# KiCad board travis_erg2026.kicad_pcb
title: travis_erg2026; date: 2026-02-19; rev: 2026.02.18; company: Travis Hardiman
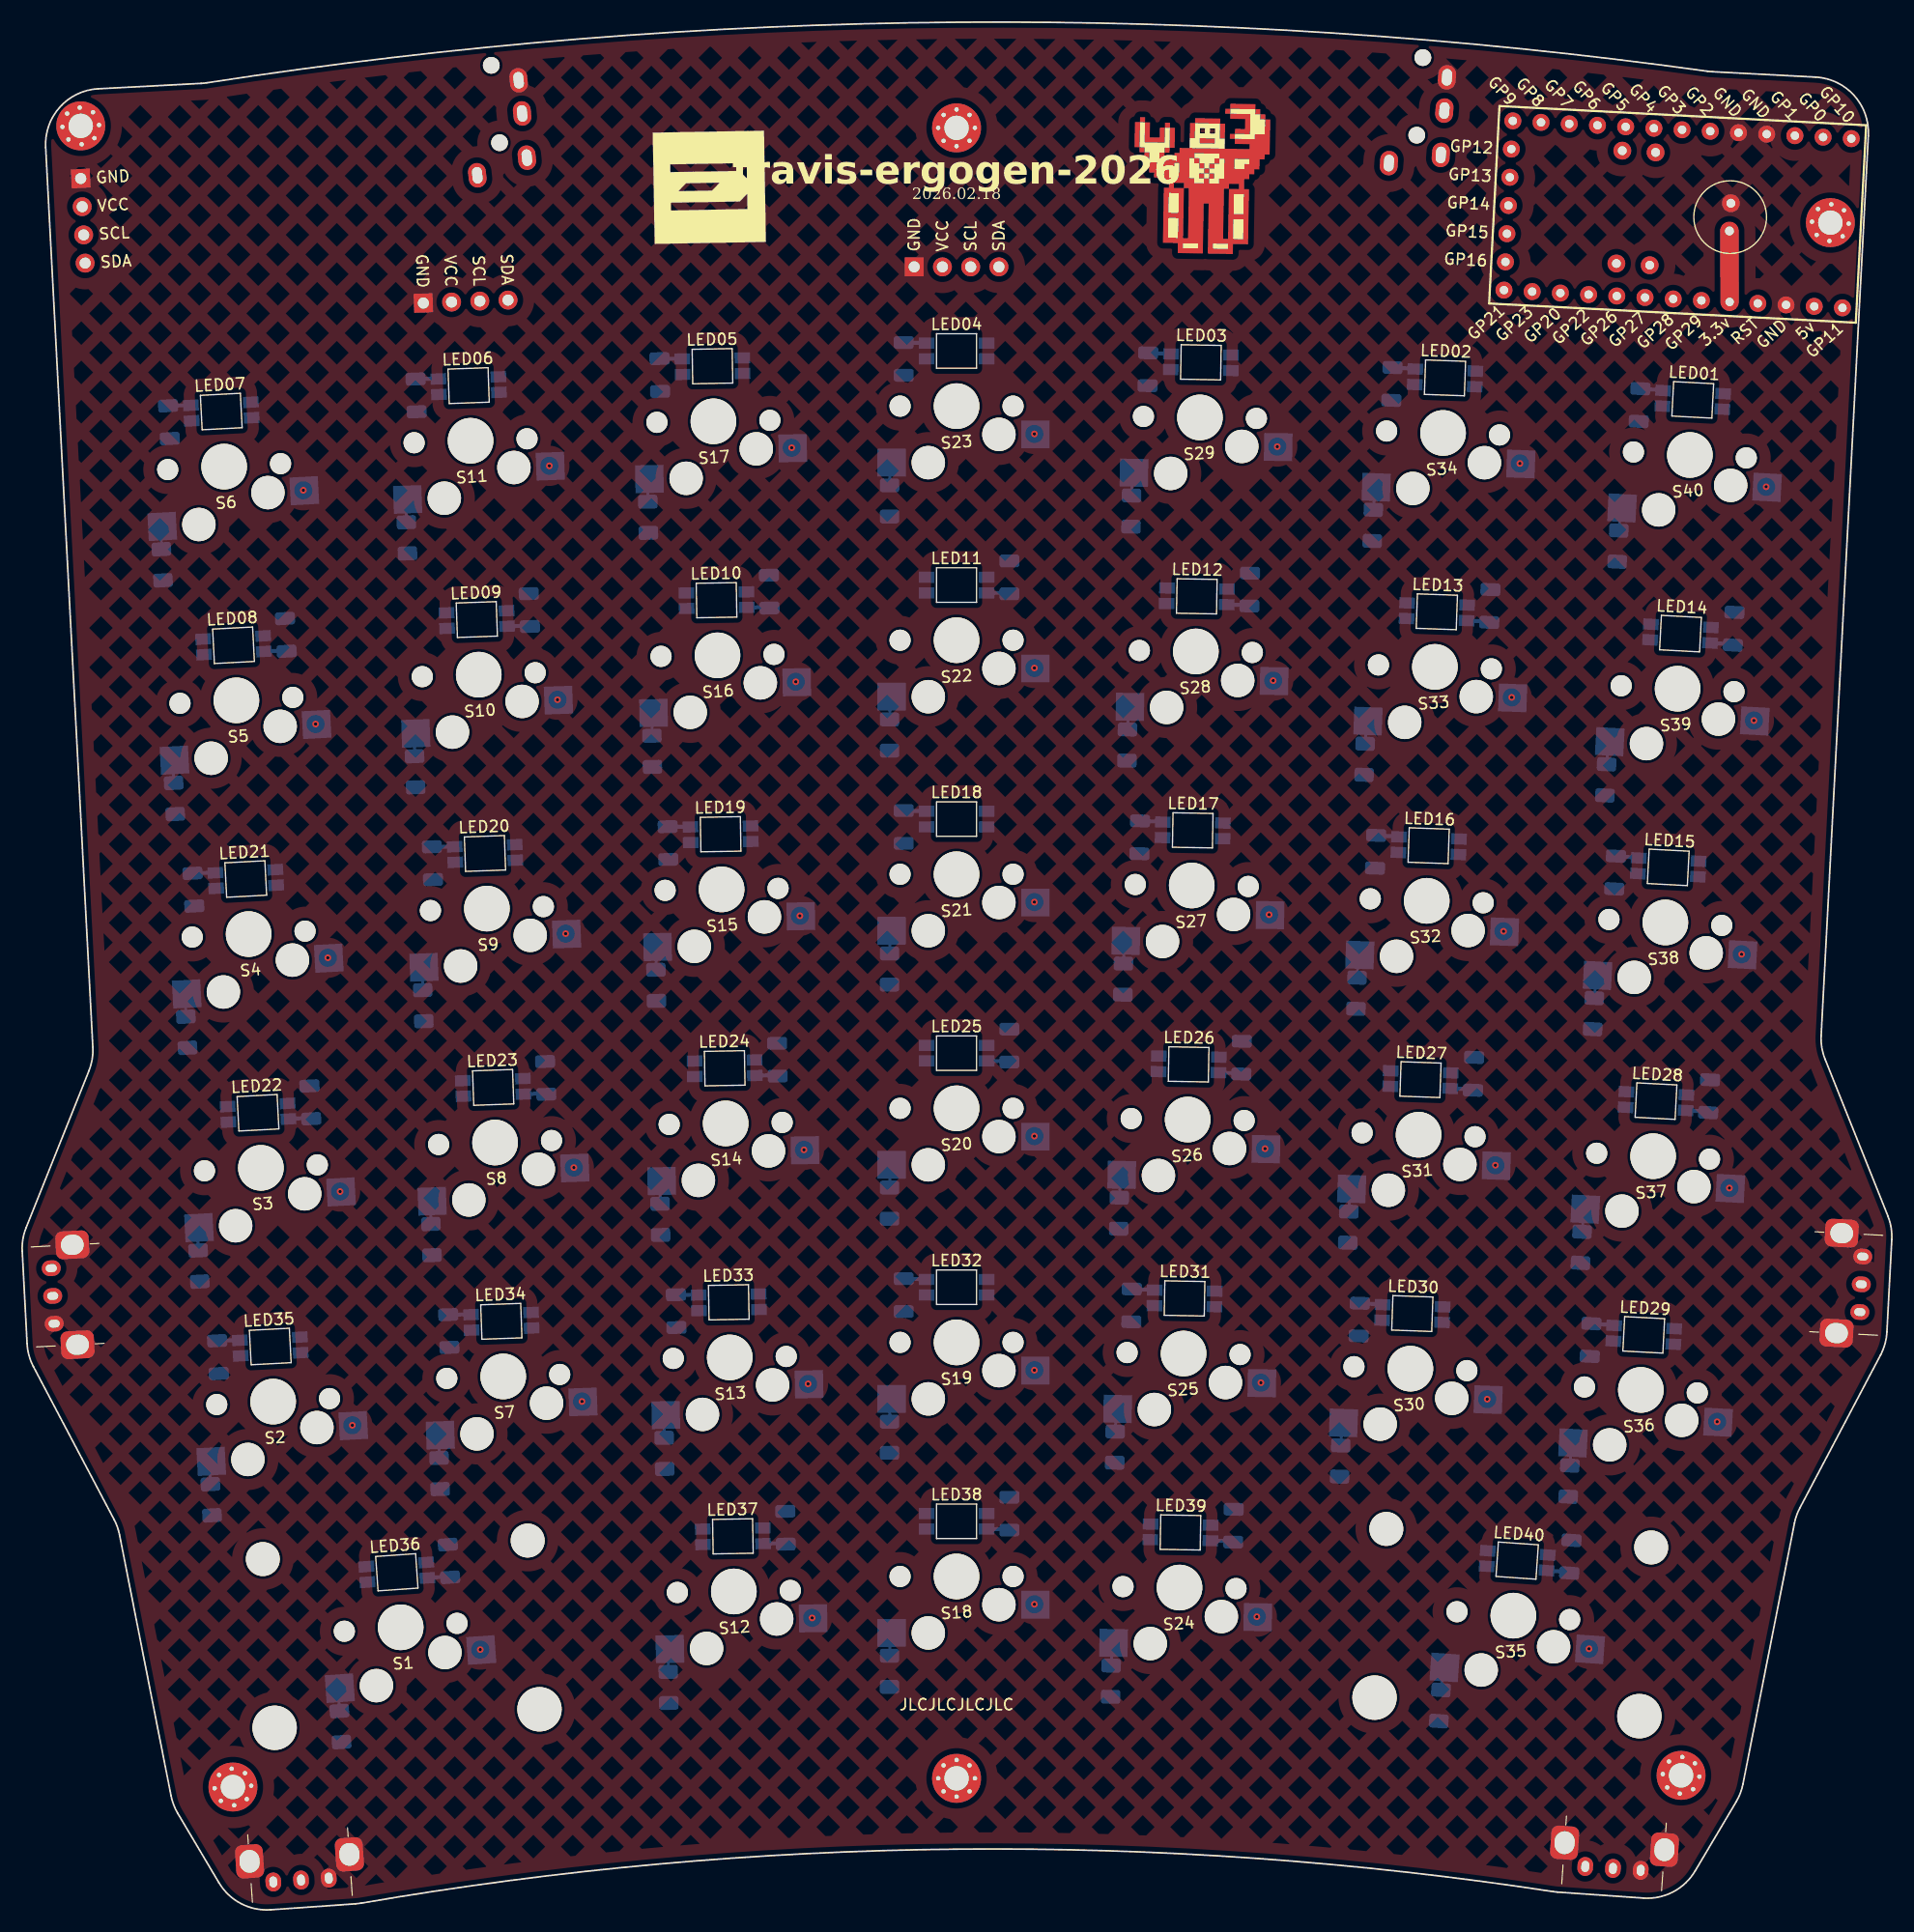
[diagram p0: board, top side]
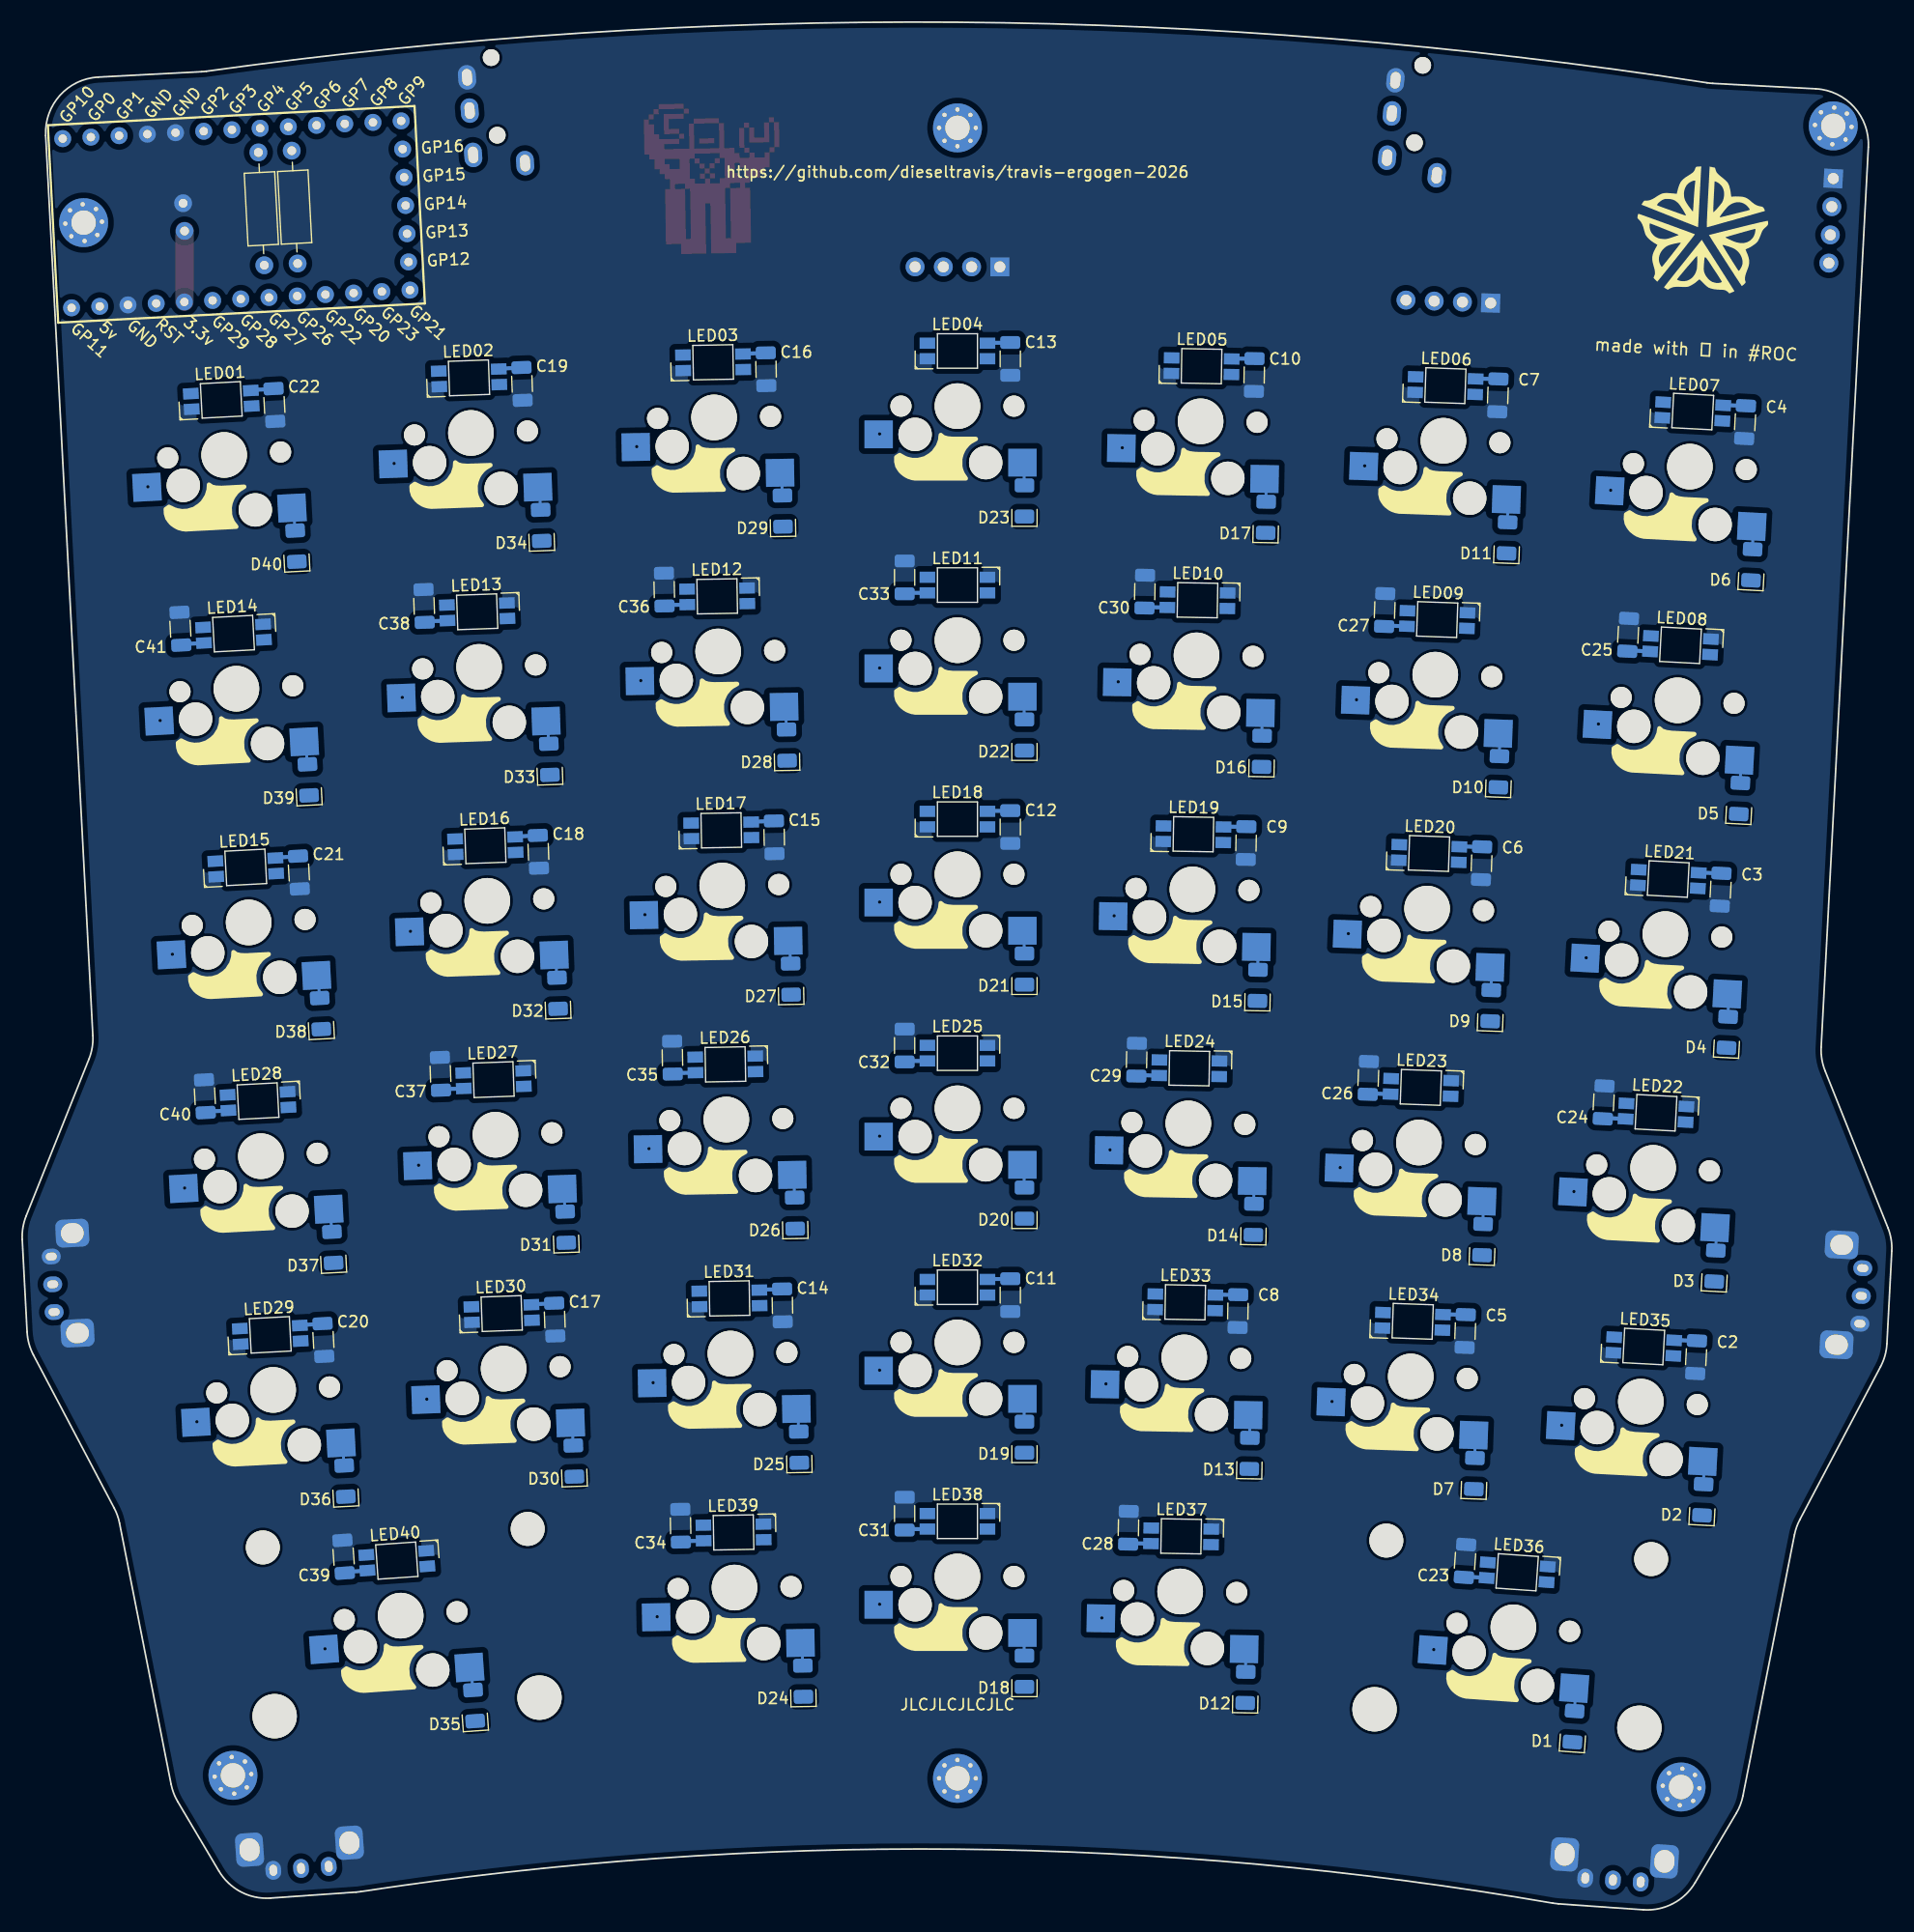
[diagram p1: board, bottom side, seen from below]

Outline 168.13 x 169.75 mm; copper layers: Top, Bottom. Coordinates in mm from the lower left corner of the outline.
Outline path: 0,59.23 arc(0.06,60.31) 0.35,61.35 6,75.45 arc(6.29,76.49) 6.35,77.57 2.11,158.51 arc(3.38,162.12) 6.84,163.77 16.1,164.25 arc(16.35,164.27) 16.6,164.3 arc(84.04,169.75) 151.57,165.34 arc(151.78,165.32) 151.99,165.3 161.29,164.81 arc(164.74,163.17) 166.02,159.56 161.78,78.62 arc(161.84,77.54) 162.13,76.5 167.78,62.4 arc(168.07,61.35) 168.13,60.28 167.69,51.96 arc(167.52,50.9) 167.12,49.89 159.86,36.13 arc(159.57,35.46) 159.38,34.76 154.75,11.3 arc(154.51,10.48) 154.14,9.72 150.44,3.48 arc(148.46,1.61) 145.79,1.05 138.1,1.59 arc(137.9,1.6) 137.69,1.63 arc(84.05,5.45) 30.48,0.6 arc(30.23,0.56) 29.98,0.53 22.33,0 arc(19.66,0.56) 17.69,2.44 13.99,8.67 arc(13.62,9.44) 13.38,10.25 8.75,33.71 arc(8.56,34.41) 8.27,35.08 1.01,48.84 arc(0.61,49.85) 0.44,50.91 0,59.23

## Placement (name value [footprint] x y rotation side)
C1  6.3V 1000uF  [C_Radial_D6.3mm_H11.0mm_P2.50mm]  153.53 150.98 87 top
C2  C710467  [C_1206_3216Metric]  17.6 49.7 273 bottom
C3  C710467  [C_1206_3216Metric]  15.39 91.74 273 bottom
C4  C710467  [C_1206_3216Metric]  13.19 133.78 273 bottom
C5  C710467  [C_1206_3216Metric]  38.36 52.05 272 bottom
C6  C710467  [C_1206_3216Metric]  36.89 94.12 272 bottom
C7  C710467  [C_1206_3216Metric]  35.42 136.19 272 bottom
C8  C710467  [C_1206_3216Metric]  58.8 53.84 271 bottom
C9  C710467  [C_1206_3216Metric]  58.07 95.93 271 bottom
C10  C710467  [C_1206_3216Metric]  57.33 138.03 271 bottom
C11  C710467  [C_1206_3216Metric]  79.27 55.28 270 bottom
C12  C710467  [C_1206_3216Metric]  79.27 97.38 270 bottom
C13  C710467  [C_1206_3216Metric]  79.27 139.48 270 bottom
C14  C710467  [C_1206_3216Metric]  99.77 54.35 269 bottom
C15  C710467  [C_1206_3216Metric]  100.5 96.45 269 bottom
C16  C710467  [C_1206_3216Metric]  101.24 138.54 269 bottom
C17  C710467  [C_1206_3216Metric]  120.24 53.08 268 bottom
C18  C710467  [C_1206_3216Metric]  121.71 95.15 268 bottom
C19  C710467  [C_1206_3216Metric]  123.18 137.22 268 bottom
C20  C710467  [C_1206_3216Metric]  141.04 51.24 267 bottom
C21  C710467  [C_1206_3216Metric]  143.25 93.29 267 bottom
C22  C710467  [C_1206_3216Metric]  145.45 135.33 267 bottom
C23  C710467  [C_1206_3216Metric]  38.38 31.37 94 bottom
C24  C710467  [C_1206_3216Metric]  25.91 72.61 93 bottom
C25  C710467  [C_1206_3216Metric]  23.71 114.66 93 bottom
C26  C710467  [C_1206_3216Metric]  47.07 74.81 92 bottom
C27  C710467  [C_1206_3216Metric]  45.6 116.89 92 bottom
C28  C710467  [C_1206_3216Metric]  68.65 34.36 91 bottom
C29  C710467  [C_1206_3216Metric]  67.91 76.45 91 bottom
C30  C710467  [C_1206_3216Metric]  67.18 118.54 91 bottom
C31  C710467  [C_1206_3216Metric]  88.77 35.63 90 bottom
C32  C710467  [C_1206_3216Metric]  88.77 77.73 90 bottom
C33  C710467  [C_1206_3216Metric]  88.77 119.83 90 bottom
C34  C710467  [C_1206_3216Metric]  108.92 34.54 89 bottom
C35  C710467  [C_1206_3216Metric]  109.66 76.63 89 bottom
C36  C710467  [C_1206_3216Metric]  110.39 118.73 89 bottom
C37  C710467  [C_1206_3216Metric]  130.52 75.18 88 bottom
C38  C710467  [C_1206_3216Metric]  131.99 117.25 88 bottom
C39  C710467  [C_1206_3216Metric]  139.23 31.76 86 bottom
C40  C710467  [C_1206_3216Metric]  151.7 73.17 87 bottom
C41  C710467  [C_1206_3216Metric]  153.91 115.21 87 bottom
D1  C7420318  [D_1206_3216Metric]  28.62 16.48 94 bottom
D2  C7420318  [D_1206_3216Metric]  16.99 36.87 93 bottom
D3  C7420318  [D_1206_3216Metric]  15.89 57.89 93 bottom
D4  C7420318  [D_1206_3216Metric]  14.79 78.92 93 bottom
D5  C7420318  [D_1206_3216Metric]  13.69 99.94 93 bottom
D6  C7420318  [D_1206_3216Metric]  12.59 120.96 93 bottom
D7  C7420318  [D_1206_3216Metric]  37.53 39.23 92 bottom
D8  C7420318  [D_1206_3216Metric]  36.8 60.27 92 bottom
D9  C7420318  [D_1206_3216Metric]  36.06 81.31 92 bottom
D10  C7420318  [D_1206_3216Metric]  35.33 102.34 92 bottom
D11  C7420318  [D_1206_3216Metric]  34.59 123.38 92 bottom
D12  C7420318  [D_1206_3216Metric]  58.12 20 91 bottom
D13  C7420318  [D_1206_3216Metric]  57.75 41.04 91 bottom
D14  C7420318  [D_1206_3216Metric]  57.38 62.09 91 bottom
D15  C7420318  [D_1206_3216Metric]  57.02 83.14 91 bottom
D16  C7420318  [D_1206_3216Metric]  56.65 104.18 91 bottom
D17  C7420318  [D_1206_3216Metric]  56.28 125.23 91 bottom
D18  C7420318  [D_1206_3216Metric]  78 21.45 90 bottom
D19  C7420318  [D_1206_3216Metric]  78 42.5 90 bottom
D20  C7420318  [D_1206_3216Metric]  78 63.55 90 bottom
D21  C7420318  [D_1206_3216Metric]  78 84.6 90 bottom
D22  C7420318  [D_1206_3216Metric]  78 105.65 90 bottom
D23  C7420318  [D_1206_3216Metric]  78 126.7 90 bottom
D24  C7420318  [D_1206_3216Metric]  97.9 20.56 89 bottom
D25  C7420318  [D_1206_3216Metric]  98.27 41.6 89 bottom
D26  C7420318  [D_1206_3216Metric]  98.64 62.65 89 bottom
D27  C7420318  [D_1206_3216Metric]  99 83.7 89 bottom
D28  C7420318  [D_1206_3216Metric]  99.37 104.74 89 bottom
D29  C7420318  [D_1206_3216Metric]  99.74 125.79 89 bottom
D30  C7420318  [D_1206_3216Metric]  118.52 40.35 88 bottom
D31  C7420318  [D_1206_3216Metric]  119.25 61.39 88 bottom
D32  C7420318  [D_1206_3216Metric]  119.99 82.43 88 bottom
D33  C7420318  [D_1206_3216Metric]  120.72 103.46 88 bottom
D34  C7420318  [D_1206_3216Metric]  121.46 124.5 88 bottom
D35  C7420318  [D_1206_3216Metric]  127.49 18.37 86 bottom
D36  C7420318  [D_1206_3216Metric]  139.1 38.55 87 bottom
D37  C7420318  [D_1206_3216Metric]  140.2 59.57 87 bottom
D38  C7420318  [D_1206_3216Metric]  141.3 80.59 87 bottom
D39  C7420318  [D_1206_3216Metric]  142.41 101.62 87 bottom
D40  C7420318  [D_1206_3216Metric]  143.51 122.64 87 bottom
HOLE1  -  [MountingHole_2.2mm_M2_Pad_Via#2]  5.26 160.43 3 top
HOLE2  -  [MountingHole_2.2mm_M2_Pad_Via#3]  84.02 160.25 0 top
HOLE3  -  [MountingHole_2.2mm_M2_Pad_Via#4]  162.61 151.73 357 top
HOLE4  -  [MountingHole_2.2mm_M2_Pad_Via]  149.18 12.09 356 top
HOLE5  -  [MountingHole_2.2mm_M2_Pad_Via#5]  84.02 11.82 0 top
HOLE6  -  [MountingHole_2.2mm_M2_Pad_Via#6]  18.95 11.04 4 top
LED01  C5378731  [led_SK6812mini-e (per-key, single-side)]  150.23 135.79 177 bottom
LED02  C5378731  [led_SK6812mini-e (per-key, single-side)]  127.95 137.77 178 bottom
LED03  C5378731  [led_SK6812mini-e (per-key, single-side)]  106 139.17 179 bottom
LED04  C5378731  [led_SK6812mini-e (per-key, single-side)]  84.02 140.19 180 bottom
LED05  C5378731  [led_SK6812mini-e (per-key, single-side)]  62.07 138.82 181 bottom
LED06  C5378731  [led_SK6812mini-e (per-key, single-side)]  40.15 137.07 182 bottom
LED07  C5378731  [led_SK6812mini-e (per-key, single-side)]  17.9 134.74 183 bottom
LED08  C5378731  [led_SK6812mini-e (per-key, single-side)]  19 113.72 3 bottom
LED09  C5378731  [led_SK6812mini-e (per-key, single-side)]  40.88 116.03 2 bottom
LED10  C5378731  [led_SK6812mini-e (per-key, single-side)]  62.44 117.77 1 bottom
LED11  C5378731  [led_SK6812mini-e (per-key, single-side)]  84.02 119.14 0 bottom
LED12  C5378731  [led_SK6812mini-e (per-key, single-side)]  105.63 118.12 359 bottom
LED13  C5378731  [led_SK6812mini-e (per-key, single-side)]  127.22 116.73 358 bottom
LED14  C5378731  [led_SK6812mini-e (per-key, single-side)]  149.13 114.77 357 bottom
LED15  C5378731  [led_SK6812mini-e (per-key, single-side)]  148.03 93.75 177 bottom
LED16  C5378731  [led_SK6812mini-e (per-key, single-side)]  126.48 95.69 178 bottom
LED17  C5378731  [led_SK6812mini-e (per-key, single-side)]  105.26 97.07 179 bottom
LED18  C5378731  [led_SK6812mini-e (per-key, single-side)]  84.02 98.09 180 bottom
LED19  C5378731  [led_SK6812mini-e (per-key, single-side)]  62.81 96.72 181 bottom
LED20  C5378731  [led_SK6812mini-e (per-key, single-side)]  41.61 94.99 182 bottom
LED21  C5378731  [led_SK6812mini-e (per-key, single-side)]  20.1 92.7 183 bottom
LED22  C5378731  [led_SK6812mini-e (per-key, single-side)]  21.2 71.68 3 bottom
LED23  C5378731  [led_SK6812mini-e (per-key, single-side)]  42.35 73.96 2 bottom
LED24  C5378731  [led_SK6812mini-e (per-key, single-side)]  63.17 75.68 1 bottom
LED25  C5378731  [led_SK6812mini-e (per-key, single-side)]  84.02 77.04 0 bottom
LED26  C5378731  [led_SK6812mini-e (per-key, single-side)]  104.9 76.03 359 bottom
LED27  C5378731  [led_SK6812mini-e (per-key, single-side)]  125.75 74.66 358 bottom
LED28  C5378731  [led_SK6812mini-e (per-key, single-side)]  146.93 72.72 357 bottom
LED29  C5378731  [led_SK6812mini-e (per-key, single-side)]  145.82 51.7 177 bottom
LED30  C5378731  [led_SK6812mini-e (per-key, single-side)]  125.01 53.62 178 bottom
LED31  C5378731  [led_SK6812mini-e (per-key, single-side)]  104.53 54.98 179 bottom
LED32  C5378731  [led_SK6812mini-e (per-key, single-side)]  84.02 55.99 180 bottom
LED33  C5378731  [led_SK6812mini-e (per-key, single-side)]  63.54 54.63 181 bottom
LED34  C5378731  [led_SK6812mini-e (per-key, single-side)]  43.08 52.92 182 bottom
LED35  C5378731  [led_SK6812mini-e (per-key, single-side)]  22.3 50.66 183 bottom
LED36  C5378731  [led_SK6812mini-e (per-key, single-side)]  33.69 30.35 4 bottom
LED37  C5378731  [led_SK6812mini-e (per-key, single-side)]  63.91 33.58 1 bottom
LED38  C5378731  [led_SK6812mini-e (per-key, single-side)]  84.02 34.94 0 bottom
LED39  C5378731  [led_SK6812mini-e (per-key, single-side)]  104.16 33.93 359 bottom
LED40  C5378731  [led_SK6812mini-e (per-key, single-side)]  134.44 31.4 356 bottom
LOGO1  -  [utility_ergogen_logo]  61.79 154.91 1 top
LOGO2  -  [travis]  106.28 155.26 359 top
MCU1  RP2040 Community Edition  [RP2040_Pro_Micro]  147.6 152.54 267 top
OLED1  -  [I2C_Breakout]  5.26 155.7 3 top
OLED2  -  [I2C_Breakout]  36.07 144.5 92 top
OLED3  -  [I2C_Breakout]  80.21 147.75 90 top
R1  510k  [R_Axial_DIN0207_L6.3mm_D2.5mm_P10.16mm_Horizontal]  143.36 148.05 87 bottom
R2  510k  [R_Axial_DIN0207_L6.3mm_D2.5mm_P10.16mm_Horizontal]  146.36 147.9 87 bottom
ROC1  -  [travis]  17.06 150.81 3 bottom
ROT1  EC10E1220501  [Alps-EC10E1220501]  2.74 55.2 273 top
ROT2  EC10E1220501  [Alps-EC10E1220501]  25.07 2.67 4 top
ROT3  EC10E1220501  [Alps-EC10E1220501]  143.06 3.72 356 top
ROT4  EC10E1220501  [Alps-EC10E1220501]  165.39 56.25 87 top
S1  C41430893  [switch_mx]  34.03 25.4 184 bottom
S2  C41430893  [switch_mx]  22.56 45.7 183 bottom
S3  C41430893  [switch_mx]  21.46 66.72 183 bottom
S4  C41430893  [switch_mx]  20.36 87.74 183 bottom
S5  C41430893  [switch_mx]  19.26 108.77 183 bottom
S6  C41430893  [switch_mx]  18.16 129.79 183 bottom
S7  C41430893  [switch_mx]  43.26 47.96 182 bottom
S8  C41430893  [switch_mx]  42.52 69 182 bottom
S9  C41430893  [switch_mx]  41.79 90.04 182 bottom
S10  C41430893  [switch_mx]  41.05 111.07 182 bottom
S11  C41430893  [switch_mx]  40.32 132.11 182 bottom
S12  C41430893  [switch_mx]  63.99 28.63 181 bottom
S13  C41430893  [switch_mx]  63.63 49.67 181 bottom
S14  C41430893  [switch_mx]  63.26 70.72 181 bottom
S15  C41430893  [switch_mx]  62.89 91.77 181 bottom
S16  C41430893  [switch_mx]  62.53 112.81 181 bottom
S17  C41430893  [switch_mx]  62.16 133.86 181 bottom
S18  C41430893  [switch_mx]  84.02 29.98 180 bottom
S19  C41430893  [switch_mx]  84.02 51.03 180 bottom
S20  C41430893  [switch_mx]  84.02 72.08 180 bottom
S21  C41430893  [switch_mx]  84.02 93.13 180 bottom
S22  C41430893  [switch_mx]  84.02 114.18 180 bottom
S23  C41430893  [switch_mx]  84.02 135.23 180 bottom
S24  C41430893  [switch_mx]  104.07 28.98 179 bottom
S25  C41430893  [switch_mx]  104.44 50.02 179 bottom
S26  C41430893  [switch_mx]  104.81 71.07 179 bottom
S27  C41430893  [switch_mx]  105.18 92.12 179 bottom
S28  C41430893  [switch_mx]  105.54 113.16 179 bottom
S29  C41430893  [switch_mx]  105.91 134.21 179 bottom
S30  C41430893  [switch_mx]  124.84 48.66 178 bottom
S31  C41430893  [switch_mx]  125.57 69.7 178 bottom
S32  C41430893  [switch_mx]  126.31 90.74 178 bottom
S33  C41430893  [switch_mx]  127.04 111.77 178 bottom
S34  C41430893  [switch_mx]  127.78 132.81 178 bottom
S35  C41430893  [switch_mx]  134.1 26.45 176 bottom
S36  C41430893  [switch_mx]  145.56 46.75 177 bottom
S37  C41430893  [switch_mx]  146.67 67.77 177 bottom
S38  C41430893  [switch_mx]  147.77 88.79 177 bottom
S39  C41430893  [switch_mx]  148.87 109.81 177 bottom
S40  C41430893  [switch_mx]  149.97 130.83 177 bottom
STAB2u1  -  [Stabilizer_MX_2.00u]  34.03 25.4 4 top
STAB2u2  -  [Stabilizer_MX_2.00u]  134.1 26.45 356 top
TRRS1  -  [trrs_pj320a]  42.01 167.47 6.1 top
TRRS2  -  [trrs_pj320a]  126.08 168.17 355.5 top

## Footprints (pads in the part's own frame, mm; a bottom-side part is the same pattern mirrored in y, then rotated)
Alps-EC10E1220501
  rrect 2.5x3 hole 1.8x2.05: 4(-4.5,2) 4(4.5,2)
  oval 1.4x1.7 hole 0.7x1: A(-2.5,0) B(0,0) C(2.5,0)
C_1206_3216Metric
  rrect 1.15x1.8 smd: 1(-1.475,0) 2(1.475,0)
C_Radial_D6.3mm_H11.0mm_P2.50mm
  round 1.6 hole 0.8: 1(0,0) 2(2.5,0)
D_1206_3216Metric
  rrect 1.25x1.75 smd: 1(-1.4,0) 2(1.4,0)
I2C_Breakout
  rect 1.7x1.7 hole 1: 1(0,0)
  oval 1.7x1.7 hole 1: 2(0,-2.54) 3(0,-5.08) 4(0,-7.62)
led_SK6812mini-e (per-key, single-side)
  rect 1.4x1 smd: 1(2.7,0.7) 2(2.7,-0.7) 3(-2.7,-0.7) 4(-2.7,0.7)
MountingHole_2.2mm_M2_Pad_Via
  round 0.7 hole 0.4: 4(-1.65,0) 4(-1.167,1.167) 4(-1.167,-1.167) 4(0,1.65) 4(0,-1.65) 4(1.167,1.167) 4(1.167,-1.167) 4(1.65,0)
  round 4.4 hole 2.2: 4(0,0)
MountingHole_2.2mm_M2_Pad_Via#2
  round 0.7 hole 0.4: 1(-1.65,0) 1(-1.167,1.167) 1(-1.167,-1.167) 1(0,1.65) 1(0,-1.65) 1(1.167,1.167) 1(1.167,-1.167) 1(1.65,0)
  round 4.4 hole 2.2: 1(0,0)
MountingHole_2.2mm_M2_Pad_Via#3
  round 0.7 hole 0.4: 2(-1.65,0) 2(-1.167,1.167) 2(-1.167,-1.167) 2(0,1.65) 2(0,-1.65) 2(1.167,1.167) 2(1.167,-1.167) 2(1.65,0)
  round 4.4 hole 2.2: 2(0,0)
MountingHole_2.2mm_M2_Pad_Via#4
  round 0.7 hole 0.4: 3(-1.65,0) 3(-1.167,1.167) 3(-1.167,-1.167) 3(0,1.65) 3(0,-1.65) 3(1.167,1.167) 3(1.167,-1.167) 3(1.65,0)
  round 4.4 hole 2.2: 3(0,0)
MountingHole_2.2mm_M2_Pad_Via#5
  round 0.7 hole 0.4: 5(-1.65,0) 5(-1.167,1.167) 5(-1.167,-1.167) 5(0,1.65) 5(0,-1.65) 5(1.167,1.167) 5(1.167,-1.167) 5(1.65,0)
  round 4.4 hole 2.2: 5(0,0)
MountingHole_2.2mm_M2_Pad_Via#6
  round 0.7 hole 0.4: 6(-1.65,0) 6(-1.167,1.167) 6(-1.167,-1.167) 6(0,1.65) 6(0,-1.65) 6(1.167,1.167) 6(1.167,-1.167) 6(1.65,0)
  round 4.4 hole 2.2: 6(0,0)
R_Axial_DIN0207_L6.3mm_D2.5mm_P10.16mm_Horizontal
  round 1.6 hole 0.8: 1(0,0)
  oval 1.6x1.6 hole 0.8: 2(10.16,0)
RP2040_Pro_Micro
  round 1.524 hole 0.762: 1(-7.62,16.51) 2(-7.62,13.97) 3(-7.62,11.43) 4(-7.62,8.89) 5(-7.62,6.35) 6(-7.62,3.81) 7(-7.62,1.27) 8(-7.62,-1.27) 9(-7.62,-3.81) 10(-7.62,-6.35) 11(-7.62,-8.89) 12(-7.62,-11.43) 13(-7.62,-13.97) 14(-5.08,-13.97) 15(-2.54,-13.97) 16(0,-13.97) 17(2.54,-13.97) 18(5.08,-13.97) 19(7.62,-13.97) 20(7.62,-11.43) 21(7.62,-8.89) 22(7.62,-6.35) 23(7.62,-3.81) 24(7.62,-1.27) 25(7.62,1.27) 26(7.62,3.81) 27(7.62,6.35) 28(7.62,8.89) 29(7.62,11.43) 30(7.62,13.97) 31(7.62,16.51)
Stabilizer_MX_2.00u
  round 3.048 hole 3.048 unplated: (-11.938,6.985) (11.938,6.985)
  round 3.988 hole 3.988 unplated: (-11.938,-8.225) (11.938,-8.225)
switch_mx
  round 1.9 hole 1.9 unplated: (-5.08,0) (5.08,0)
  round 3 hole 3 unplated: (-3.81,-2.54) (2.54,-5.08)
  round 4.1 hole 4.1 unplated: (0,0)
  rect 2.55x2.5 smd: 1(-7.085,-2.54) 2(5.842,-5.08)
trrs_pj320a
  round 1.5 hole 1.5 unplated: (0,-1.6) (0,-8.6)
  oval 1.6x2.2 hole 0.9x1.5: 2(2.3,-3.2) 3(2.3,-6.2) 4(2.3,-10.2) 5(-2.3,-11.3)

## Nets
GND: C1.2 C2.2 C3.2 C4.2 C5.2 C6.2 C7.2 C8.2 C9.2 C10.2 C11.2 C12.2 C13.2 C14.2 C15.2 C16.2 C17.2 C18.2 C19.2 C20.2 C21.2 C22.2 C23.2 C24.2 C25.2 C26.2 C27.2 C28.2 C29.2 C30.2 C31.2 C32.2 C33.2 C34.2 C35.2 C36.2 C37.2 C38.2 C39.2 C40.2 C41.2 LED01.3 LED02.3 LED03.3 LED04.3 LED05.3 LED06.3 LED07.3 LED08.3 LED09.3 LED10.3 LED11.3 LED12.3 LED13.3 LED14.3 LED15.3 LED16.3 LED17.3 LED18.3 LED19.3 LED20.3 LED21.3 LED22.3 LED23.3 LED24.3 LED25.3 LED26.3 LED27.3 LED28.3 LED29.3 LED30.3 LED31.3 LED32.3 LED33.3 LED34.3 LED35.3 LED36.3 LED37.3 LED38.3 LED39.3 LED40.3 MCU1.4 MCU1.5 MCU1.29 OLED1.1 OLED2.1 OLED3.1 ROT1.4 ROT1.C ROT2.4 ROT2.C ROT3.4 ROT3.C ROT4.4 ROT4.C TRRS1.2 TRRS2.2
VCC: C1.1 C2.1 C3.1 C4.1 C5.1 C6.1 C7.1 C8.1 C9.1 C10.1 C11.1 C12.1 C13.1 C14.1 C15.1 C16.1 C17.1 C18.1 C19.1 C20.1 C21.1 C22.1 C23.1 C24.1 C25.1 C26.1 C27.1 C28.1 C29.1 C30.1 C31.1 C32.1 C33.1 C34.1 C35.1 C36.1 C37.1 C38.1 C39.1 C40.1 C41.1 LED01.1 LED02.1 LED03.1 LED04.1 LED05.1 LED06.1 LED07.1 LED08.1 LED09.1 LED10.1 LED11.1 LED12.1 LED13.1 LED14.1 LED15.1 LED16.1 LED17.1 LED18.1 LED19.1 LED20.1 LED21.1 LED22.1 LED23.1 LED24.1 LED25.1 LED26.1 LED27.1 LED28.1 LED29.1 LED30.1 LED31.1 LED32.1 LED33.1 LED34.1 LED35.1 LED36.1 LED37.1 LED38.1 LED39.1 LED40.1 MCU1.27 OLED1.2 OLED2.2 OLED3.2 R1.1 R2.1 TRRS1.4 TRRS2.4
B4: MCU1.12
col0: MCU1.19 S1.1 S2.1 S3.1 S4.1 S5.1 S6.1
col1: MCU1.20 S7.1 S8.1 S9.1 S10.1 S11.1
col2: MCU1.21 S12.1 S13.1 S14.1 S15.1 S16.1 S17.1
col3: MCU1.22 S18.1 S19.1 S20.1 S21.1 S22.1 S23.1
col4: MCU1.23 S24.1 S25.1 S26.1 S27.1 S28.1 S29.1
col5: MCU1.24 S30.1 S31.1 S32.1 S33.1 S34.1
col6: MCU1.25 S35.1 S36.1 S37.1 S38.1 S39.1 S40.1
D7: MCU1.10
E6: MCU1.11
encA: MCU1.9 R1.2 ROT1.A ROT2.A ROT3.A ROT4.A
encB: MCU1.8 R2.2 ROT1.B ROT2.B ROT3.B ROT4.B
F4: MCU1.26
GP10: MCU1.1
LED01: LED01.4 MCU1.31
LED02: LED01.2 LED02.4
LED03: LED02.2 LED03.4
LED04: LED03.2 LED04.4
LED05: LED04.2 LED05.4
LED06: LED05.2 LED06.4
LED07: LED06.2 LED07.4
LED08: LED07.2 LED08.4
LED09: LED08.2 LED09.4
LED10: LED09.2 LED10.4
LED11: LED10.2 LED11.4
LED12: LED11.2 LED12.4
LED13: LED12.2 LED13.4
LED14: LED13.2 LED14.4
LED15: LED14.2 LED15.4
LED16: LED15.2 LED16.4
LED17: LED16.2 LED17.4
LED18: LED17.2 LED18.4
LED19: LED18.2 LED19.4
LED20: LED19.2 LED20.4
LED21: LED20.2 LED21.4
LED22: LED21.2 LED22.4
LED23: LED22.2 LED23.4
LED24: LED23.2 LED24.4
LED25: LED24.2 LED25.4
LED26: LED25.2 LED26.4
LED27: LED26.2 LED27.4
LED28: LED27.2 LED28.4
LED29: LED28.2 LED29.4
LED30: LED29.2 LED30.4
LED31: LED30.2 LED31.4
LED32: LED31.2 LED32.4
LED33: LED32.2 LED33.4
LED34: LED33.2 LED34.4
LED35: LED34.2 LED35.4
LED36: LED35.2 LED36.4
LED37: LED36.2 LED37.4
LED38: LED37.2 LED38.4
LED39: LED38.2 LED39.4
LED40: LED39.2 LED40.4
matrix_col0_row0: D1.2 S1.2
matrix_col0_row1: D2.2 S2.2
matrix_col0_row2: D3.2 S3.2
matrix_col0_row3: D4.2 S4.2
matrix_col0_row4: D5.2 S5.2
matrix_col0_row5: D6.2 S6.2
matrix_col1_row1: D7.2 S7.2
matrix_col1_row2: D8.2 S8.2
matrix_col1_row3: D9.2 S9.2
matrix_col1_row4: D10.2 S10.2
matrix_col1_row5: D11.2 S11.2
matrix_col2_row0: D12.2 S12.2
matrix_col2_row1: D13.2 S13.2
matrix_col2_row2: D14.2 S14.2
matrix_col2_row3: D15.2 S15.2
matrix_col2_row4: D16.2 S16.2
matrix_col2_row5: D17.2 S17.2
matrix_col3_row0: D18.2 S18.2
matrix_col3_row1: D19.2 S19.2
matrix_col3_row2: D20.2 S20.2
matrix_col3_row3: D21.2 S21.2
matrix_col3_row4: D22.2 S22.2
matrix_col3_row5: D23.2 S23.2
matrix_col4_row0: D24.2 S24.2
matrix_col4_row1: D25.2 S25.2
matrix_col4_row2: D26.2 S26.2
matrix_col4_row3: D27.2 S27.2
matrix_col4_row4: D28.2 S28.2
matrix_col4_row5: D29.2 S29.2
matrix_col5_row1: D30.2 S30.2
matrix_col5_row2: D31.2 S31.2
matrix_col5_row3: D32.2 S32.2
matrix_col5_row4: D33.2 S33.2
matrix_col5_row5: D34.2 S34.2
matrix_col6_row0: D35.2 S35.2
matrix_col6_row1: D36.2 S36.2
matrix_col6_row2: D37.2 S37.2
matrix_col6_row3: D38.2 S38.2
matrix_col6_row4: D39.2 S39.2
matrix_col6_row5: D40.2 S40.2
RAW: MCU1.30
row0: D1.1 D12.1 D18.1 D24.1 D35.1 MCU1.13
row1: D2.1 D7.1 D13.1 D19.1 D25.1 D30.1 D36.1 MCU1.14
row2: D3.1 D8.1 D14.1 D20.1 D26.1 D31.1 D37.1 MCU1.15
row3: D4.1 D9.1 D15.1 D21.1 D27.1 D32.1 D38.1 MCU1.16
row4: D5.1 D10.1 D16.1 D22.1 D28.1 D33.1 D39.1 MCU1.17
row5: D6.1 D11.1 D17.1 D23.1 D29.1 D34.1 D40.1 MCU1.18
RST: MCU1.28
RX: MCU1.3 TRRS1.3 TRRS2.5
scl: MCU1.7 OLED1.3 OLED2.3 OLED3.3
sda: MCU1.6 OLED1.4 OLED2.4 OLED3.4
TX: MCU1.2 TRRS1.5 TRRS2.3

Pads without a net: HOLE1 1; HOLE2 2; HOLE3 3; HOLE4 4; HOLE5 5; HOLE6 6; LED40 2

## Via types
v1: diameter 0.6, hole 0.3, Top to Bottom, 40 vias

## Routing (per net, layer and track width the routed paths; a pad name or vN(x,y) marks a point on that pad's centre or on a via; arc(x,y) is an arc through that point)
VCC: length 78.8
  Top w1.666: C1.1 153.55,144.62
  Bottom w0.356: 66.86,32.93 68.67,32.98 ; 65.39,117.11 67.2,117.16 ; 107.09,33.17 108.9,33.16 ; 122.1,54.46 120.29,54.52 ; 66.13,75.02 67.93,75.07 ; 36.67,29.85 38.47,29.99 ; 86.96,118.43 88.77,118.45 ; 45.31,73.35 47.12,73.43 ; 102.34,97.87 100.53,97.9 ; 40.12,53.56 38.31,53.49 ; 21.97,113.16 23.78,113.28 ; 38.65,95.63 36.84,95.57 ; 125.04,138.61 123.23,138.67 ; 149.82,71.86 151.63,71.79 ; 14.92,135.33 13.12,135.23 ; 137.32,30.49 139.13,30.38 ; 142.93,52.6 141.12,52.69 ; 108.56,117.36 110.37,117.35 ; 147.33,136.68 145.53,136.78 ; 103.07,139.96 101.26,139.99 ; 43.84,115.42 45.65,115.51 ; 37.18,137.71 35.37,137.64 ; 145.13,94.64 143.32,94.73 ; 128.66,73.84 130.47,73.8 ; 17.13,93.28 15.32,93.19 ; 86.96,34.23 88.77,34.25 ; 86.96,76.33 88.77,76.35 ; 101.6,55.77 99.79,55.8 ; 81.08,98.83 79.27,98.83 ; 19.33,51.24 17.52,51.15 ; 81.08,140.93 79.27,140.93 ; 81.08,56.73 79.27,56.73 ; 152.03,113.9 153.84,113.83 ; 24.18,71.12 25.98,71.24 ; 60.59,55.32 58.78,55.29 ; 123.57,96.54 121.76,96.6 ; 130.13,115.92 131.94,115.88 ; 107.82,75.27 109.63,75.26 ; 59.12,139.51 57.31,139.48 ; 59.85,97.41 58.04,97.38
col0:
  vias: v1(25.28,127.66) v1(26.38,106.64) v1(27.48,85.61) v1(28.58,64.59) v1(29.69,43.57) v1(41.19,23.4)
col1:
  vias: v1(47.4,129.86) v1(48.14,108.82) v1(48.87,87.78) v1(49.61,66.75) v1(50.34,45.71)
col2:
  vias: v1(69.2,131.48) v1(69.57,110.44) v1(69.93,89.39) v1(70.3,68.34) v1(70.67,47.29) v1(71.04,26.25)
col3:
  vias: v1(91.02,132.73) v1(91.02,111.68) v1(91.02,90.63) v1(91.02,69.58) v1(91.02,48.53) v1(91.02,27.48)
col4:
  vias: v1(111.03,26.35) v1(111.4,47.4) v1(111.76,68.45) v1(112.13,89.49) v1(112.5,110.54) v1(112.87,131.59)
col5:
  vias: v1(131.75,45.92) v1(132.48,66.96) v1(133.22,87.99) v1(133.95,109.03) v1(134.69,130.07)
col6:
  vias: v1(140.9,23.47) v1(152.42,43.89) v1(153.53,64.91) v1(154.63,85.93) v1(155.73,106.95) v1(156.83,127.97)
matrix_col0_row0: length 2.2
  Bottom w0.254: 28.4,19.9 28.55,17.74
matrix_col0_row1: length 2.2
  Bottom w0.254: 16.84,40.3 16.95,38.14
matrix_col0_row2: length 2.2
  Bottom w0.254: 15.74,61.32 15.85,59.16
matrix_col0_row3: length 2.2
  Bottom w0.254: 14.64,82.34 14.75,80.18
matrix_col0_row4: length 2.2
  Bottom w0.254: 13.53,103.36 13.65,101.2
matrix_col0_row5: length 2.2
  Bottom w0.254: 12.43,124.38 12.55,122.22
matrix_col1_row1: length 2.2
  Bottom w0.254: 37.44,42.66 37.51,40.5
matrix_col1_row2: length 2.2
  Bottom w0.254: 36.7,63.69 36.78,61.54
matrix_col1_row3: length 2.2
  Bottom w0.254: 35.97,84.73 36.04,82.57
matrix_col1_row4: length 2.2
  Bottom w0.254: 35.23,105.77 35.31,103.61
matrix_col1_row5: length 2.2
  Bottom w0.254: 34.5,126.81 34.58,124.65
matrix_col2_row0: length 2.2
  Bottom w0.254: 58.08,23.42 58.12,21.26
matrix_col2_row1: length 2.2
  Bottom w0.254: 57.72,44.47 57.75,42.31
matrix_col2_row2: length 2.2
  Bottom w0.254: 57.35,65.51 57.39,63.36
matrix_col2_row3: length 2.2
  Bottom w0.254: 56.98,86.56 57.02,84.4
matrix_col2_row4: length 2.2
  Bottom w0.254: 56.61,107.61 56.65,105.45
matrix_col2_row5: length 2.2
  Bottom w0.254: 56.25,128.66 56.29,126.5
matrix_col3_row0: length 2.2
  Bottom w0.254: 78.02,24.88 78.02,22.72
matrix_col3_row1: length 2.2
  Bottom w0.254: 78.02,45.93 78.02,43.77
matrix_col3_row2: length 2.2
  Bottom w0.254: 78.02,66.98 78.02,64.82
matrix_col3_row3: length 2.2
  Bottom w0.254: 78.02,88.03 78.02,85.87
matrix_col3_row4: length 2.2
  Bottom w0.254: 78.02,109.08 78.02,106.92
matrix_col3_row5: length 2.2
  Bottom w0.254: 78.02,130.13 78.02,127.97
matrix_col4_row0: length 2.2
  Bottom w0.254: 97.99,23.98 97.95,21.82
matrix_col4_row1: length 2.2
  Bottom w0.254: 98.35,45.03 98.32,42.87
matrix_col4_row2: length 2.2
  Bottom w0.254: 98.72,66.07 98.68,63.91
matrix_col4_row3: length 2.2
  Bottom w0.254: 99.09,87.12 99.05,84.96
matrix_col4_row4: length 2.2
  Bottom w0.254: 99.46,108.17 99.42,106.01
matrix_col4_row5: length 2.2
  Bottom w0.254: 99.82,129.21 99.79,127.05
matrix_col5_row1: length 2.2
  Bottom w0.254: 118.66,43.78 118.59,41.62
matrix_col5_row2: length 2.2
  Bottom w0.254: 119.4,64.81 119.32,62.65
matrix_col5_row3: length 2.2
  Bottom w0.254: 120.13,85.85 120.06,83.69
matrix_col5_row4: length 2.2
  Bottom w0.254: 120.87,106.89 120.79,104.73
matrix_col5_row5: length 2.2
  Bottom w0.254: 121.6,127.92 121.53,125.77
matrix_col6_row0: length 2.2
  Bottom w0.254: 127.75,21.78 127.6,19.63
matrix_col6_row1: length 2.2
  Bottom w0.254: 139.31,41.97 139.19,39.81
matrix_col6_row2: length 2.2
  Bottom w0.254: 140.41,62.99 140.29,60.84
matrix_col6_row3: length 2.2
  Bottom w0.254: 141.51,84.01 141.4,81.86
matrix_col6_row4: length 2.2
  Bottom w0.254: 142.61,105.03 142.5,102.88
matrix_col6_row5: length 2.2
  Bottom w0.254: 143.71,126.06 143.6,123.9

## Copper pours and planes (outline as drawn; the poured copper is in the pictures)
GND on Top: -5.98,174.88 184.02,174.88 184.02,-10.12 -5.98,-10.12
GND on Bottom: -10.98,179.88 179.02,179.88 179.02,-5.12 -10.98,-5.12

## Text on the board
B.Silkscreen: LED40 | LED29 | LED28 | LED15 | LED14 | LED01 | LED30 | LED27 | LED16 | LED13 | LED02 | LED39 | LED31 | LED26 | LED17 | LED12 | LED03 | https://github.com/dieseltravis/travis-ergogen-2026 | LED04 | LED11 | LED18 | LED25 | LED32 | LED38 | JLCJLCJLCJLC | LED05 | LED10 | LED19 | LED24 | LED33 | LED37 | LED06 | LED09 | LED20 | LED23 | LED34 | LED07 | LED08 | LED21 | LED22 | LED35 | LED36 | made with ♥ in #ROC
F.Silkscreen: LED40 | LED29 | LED28 | LED15 | LED14 | LED01 | LED30 | LED27 | LED16 | LED13 | LED02 | LED39 | LED31 | LED26 | LED17 | LED12 | LED03 | LED04 | LED11 | LED18 | LED25 | LED32 | LED38 | JLCJLCJLCJLC | LED05 | LED10 | LED19 | LED24 | LED33 | LED37 | LED06 | LED09 | LED20 | LED23 | LED34 | LED07 | LED08 | LED21 | LED22 | LED35 | LED36 | 2026.02.18 | travis-ergogen-2026
